# KiCad board RobotLegoController.kicad_pcb (continued)
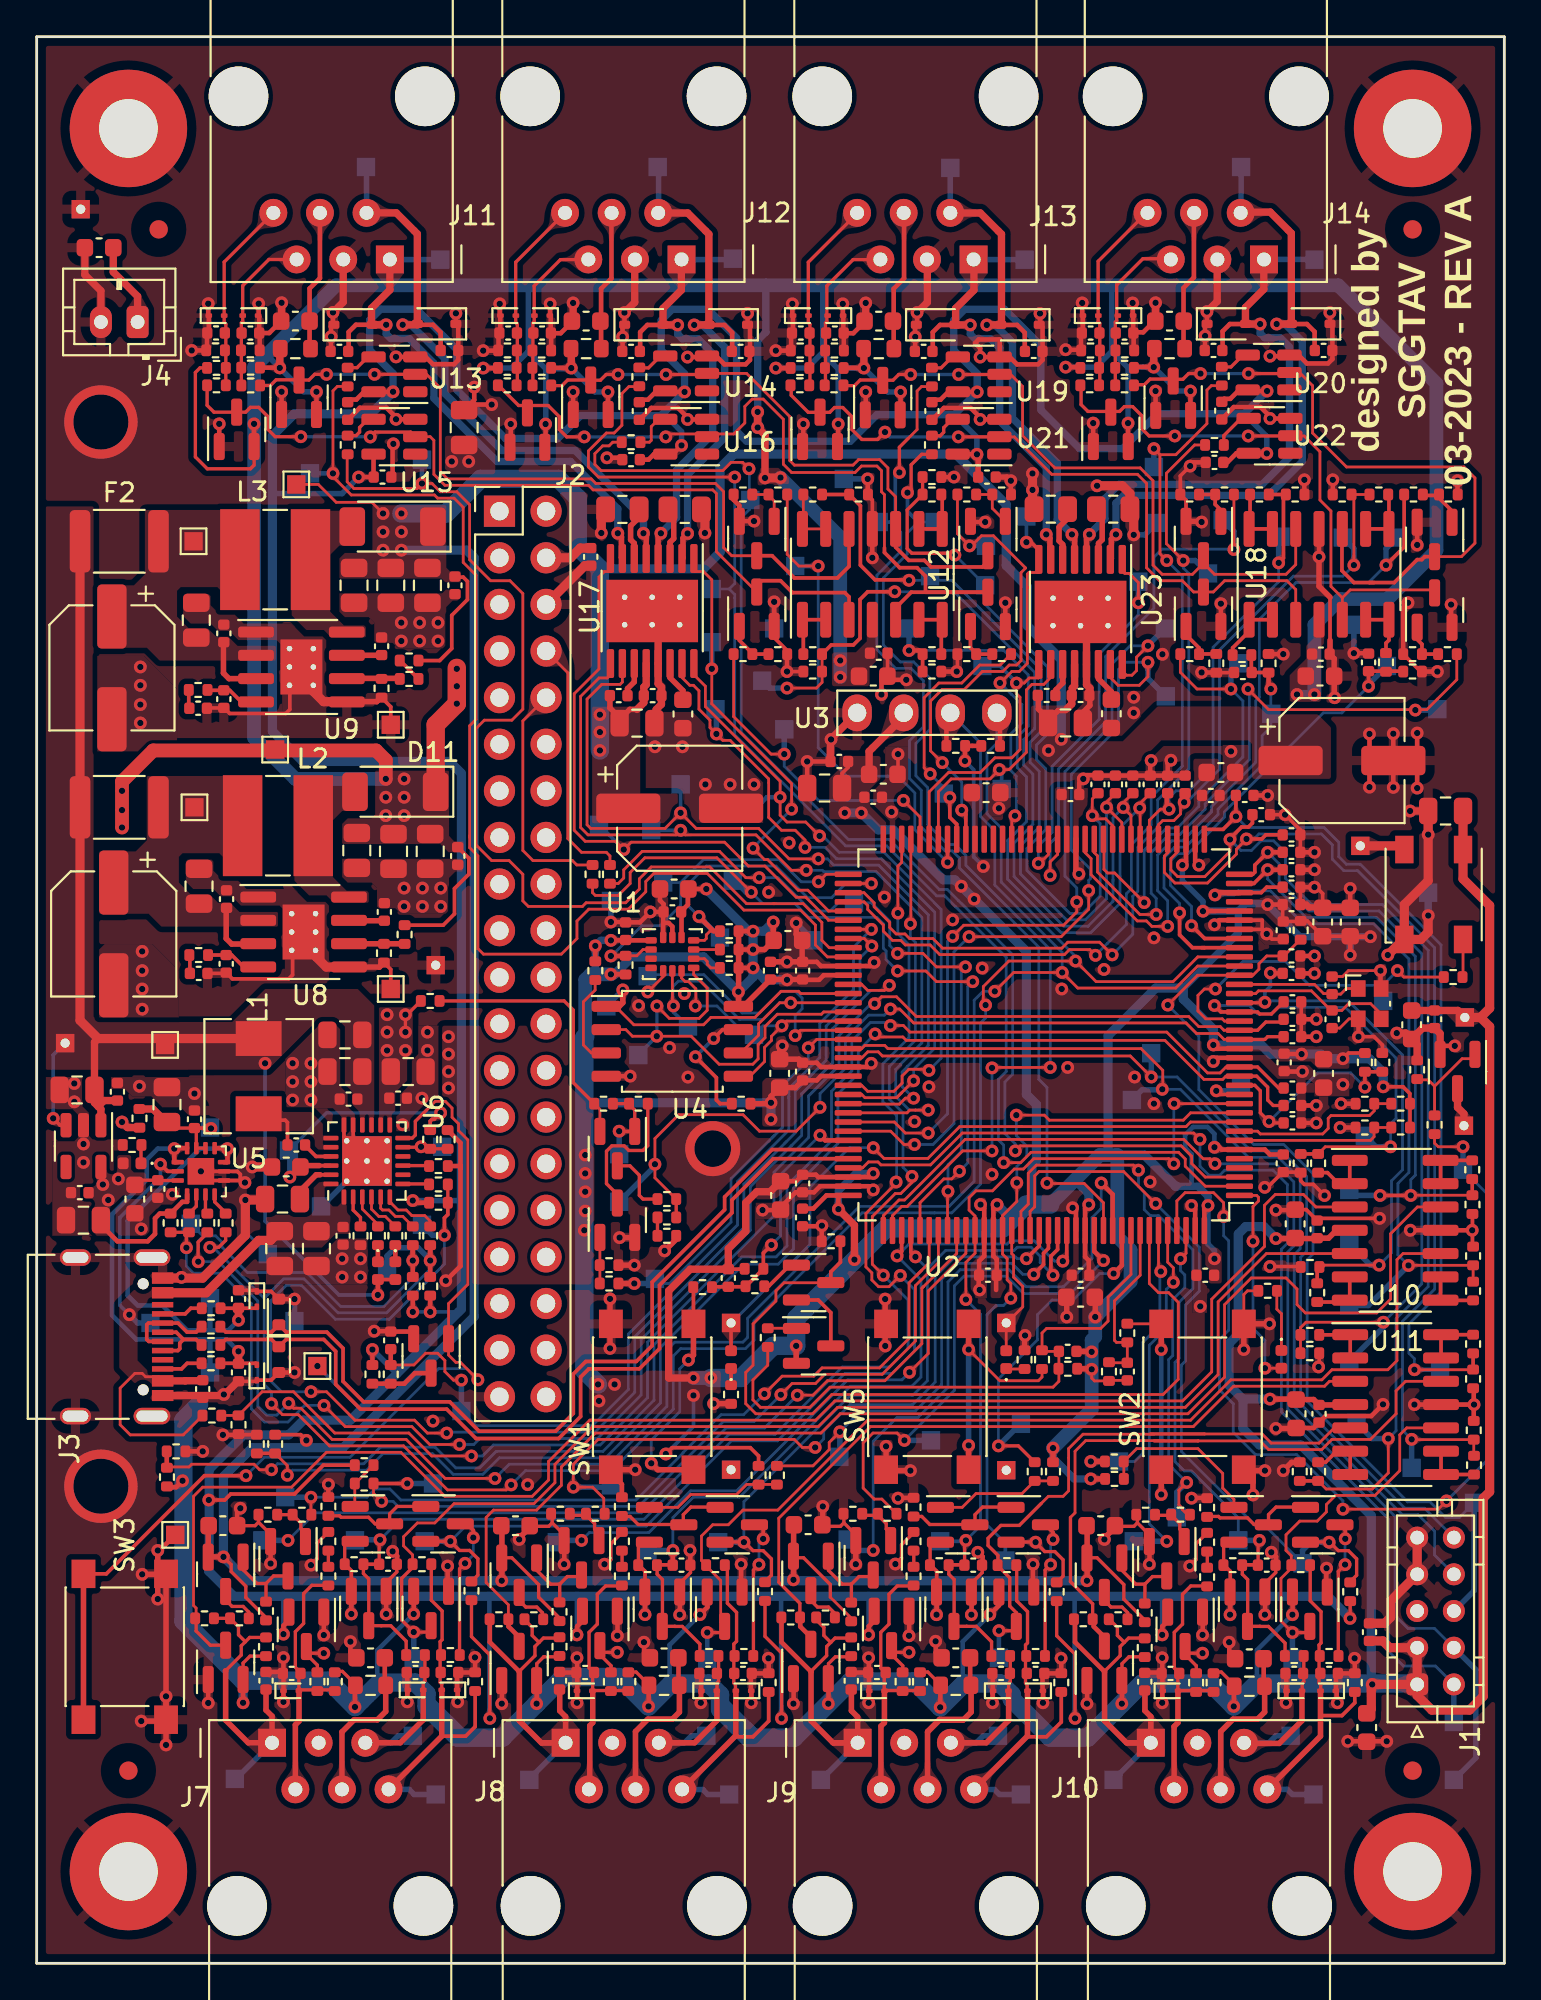
[diagram p0: board, top side]
## Routing (per net, layer and track width the routed paths; a pad name or vN(x,y) marks a point on that pad's centre or on a via; arc(x,y) is an arc through that point) (continued)
BM_NIRQ: length 75.4
  L1 w0.15: v1(22.35,28.9) 21.3,28.9 20.59,29.6 17.35,29.6 15.8,31.15 v1(14.95,31.15) ; v1(45.52,55.44) 45.11,55.85 U2.80
  L1 w0.18: R41.1 R48.1
  L1 w0.2: R41.1 22.41,40.81 22.22,40.62 v1(22.22,39.68)
  L4 w0.15: 40.87,44.78 40.75,44.67 ; 40.87,44.78 38.55,42.47 38.55,40.09 32.6,34.14 32.6,31.12 30.43,28.95 22.4,28.95 v1(22.35,28.9) ; 40.87,44.78 41.35,45.27 41.35,47.53 43.03,49.22 43.03,51.08 44.88,52.92 44.88,54.79 v1(45.52,55.44) ; 13.13,36.47 13.61,36.95 14.43,36.95 16.28,35.1 19.22,35.1 22.22,38.11 v1(22.22,39.68) ; 13.13,36.47 12.75,36.09 12.75,31.74 13.34,31.15 v1(14.95,31.15) ; 13.13,36.47 13.2,36.55
  L4 w0.3: v1(22.22,39.68) 21.57,39.68 TP32.1
INPUT1_PIN1_CURRENT_ENABLE: length 45.7
  L1 w0.15: R78.1 14.95,24.47 v1(14.95,25.4) ; 48.21,37.74 47.55,37.08 47.55,34.06 45.94,32.45 42.81,32.45 42.36,32 40.63,32 v1(39.67,31.03) ; 48.21,37.74 48.65,38.18 U2.114 ; 48.21,37.74 47.97,37.5
  L4 w0.15: v1(14.95,25.4) 18,25.4 18.45,25.85 19.25,25.85 19.85,25.25 32.67,25.25 35.24,27.81 35.24,27.83 37.31,29.9 38.53,29.9 v1(39.67,31.03)
  L4 w0.3: TP48.1 v1(14.95,25.4)
INPUT1_PIN1_SENSE_VOLTAGE: length 27.3
  L1 w0.15: v1(73.8,44.5) 70.24,44.5 R86.2
  L1 w0.18: C97.1 67.31,51.74 66.66,51.74 66.55,51.85 U2.21
  L1 w0.2: U2.21 64.55,51.85 v1(64.2,52.2) ; R88.1 R86.2
  L4 w0.15: v1(64.2,52.2) 66.1,52.2 66.55,51.75 67.3,51.75 67.65,52.1 71.33,52.1 74.1,49.33 74.1,46.05 73.8,45.75 v1(73.8,44.5)
  L4 w0.3: v1(73.8,44.5) 73,44.5 TP50.1
INPUT1_PIN2_DETECT: length 57.3
  L1 w0.15: U2.117 50.15,38.69 48.36,36.89 ; 48.36,36.89 48.26,36.8 ; 48.36,36.89 48.25,36.79 48.25,33.77 46.23,31.75 43.1,31.75 42.31,30.96 v1(41.46,30.96)
  L1 w0.18: v1(15.65,16.9) 14.8,16.9 14.7,17 D15.3 ; 15.3,15.91 15.3,16.25 14.7,16.85 14.7,17.31
  L3 w0.2: 13.7,23 13.7,18.85 v1(15.65,16.9)
  L4 w0.15: v1(13.7,23.05) 15.2,24.55 32.96,24.55 37.59,29.17 39.68,29.17 v1(41.46,30.96)
  L4 w0.3: v1(13.7,23.05) TP52.1
INPUT1_PIN5_SCL_uTX_pRX: length 74.2
  L1 w0.15: v1(46.15,37.5) 45.55,38.1 45.55,40.7 46.8,41.95 47.1,41.95 47.71,42.56 v1(47.71,42.89) ; v1(47.63,56.65) 47.65,56.67 U2.69
  L1 w0.18: D19.3 18.1,20.95 17.81,21.24 R98.1 ; D19.3 18.78,18.4 18.78,18.4 19.3,18.4 20.14,17.56 R100.1 ; D19.3 18.07,18.43 ; v1(18.71,23.08) 18.67,23.04 C103.1
  L1 w0.2: R98.1 C103.1
  L4 w0.15: v1(47.63,56.65) 47.63,55.92 47.9,55.64 47.9,50.31 46.75,49.16 46.75,49.15 46.47,48.88 46.47,47.1 47.22,46.35 47.22,43.38 v1(47.71,42.89) ; v1(46.15,37.5) 47.5,36.15 47.5,33.51 46.49,32.5 43.92,32.5 40.24,28.83 37.73,28.83 33.11,24.2 19.83,24.2 v1(18.71,23.08)
  L4 w0.3: TP56.1 17.38,23.08 v1(18.71,23.08)
INPUT1_PIN6_ENABLE_N: length 43.9
  L1 w0.15: U2.115 49.15,38.18 47.9,36.93 47.9,33.91 46.09,32.1 42.96,32.1 42.46,31.6 41.18,31.6 v1(40.56,30.99) ; R104.1 18.36,25.61 v1(18.8,25.17)
  L1 w0.2: R104.1 v1(20.2,26.15)
  L4 w0.15: v1(18.8,25.17) 19.43,25.17 19.7,24.9 32.82,24.9 36.7,28.78 36.7,28.8 37.43,29.53 39.1,29.53 v1(40.56,30.99)
  L4 w0.3: v1(20.2,26.15) TP60.1
INPUT1_PIN6_SDA_uRX_pTX: length 68.1
  L1 w0.15: v1(46.85,42.58) 46.85,42.51 45.2,40.87 45.2,37.96 45.53,37.63 45.53,37.24 45.89,36.88 46.46,36.88 v1(47.08,37.49) ; v1(46.94,57.24) 46.94,59.79 47.15,60 U2.70
  L1 w0.18: Q15.2 v1(22.55,23) 23.05,22.5 23.6,22.5 24.05,22.05 24.05,21.16 R110.2
  L4 w0.15: v1(22.55,23) 23.38,23.83 33.22,23.83 37.88,28.47 40.39,28.47 44.06,32.15 46.63,32.15 47.85,33.37 47.85,36.72 v1(47.08,37.49) ; v1(46.94,57.24) 46.94,56.11 47.55,55.5 47.55,50.45 46.4,49.3 46.4,49.29 46.12,49.02 46.12,46.95 46.88,46.2 46.88,42.61 v1(46.85,42.58)
  L4 w0.3: v1(22.55,23) TP66.1
INPUT1_PIN6_SENSE_VOLTAGE: length 30.9
  L1 w0.15: R122.1 69.96,37.98 70.13,37.98 70.2,38.05 v1(73.18,38.05)
  L1 w0.18: U2.22 66.92,52.35 v1(66.95,52.38)
  L1 w0.2: R120.2 69.8,37.83 R122.1
  L1 w0.25: 67.9,53.95 67.27,53.95 v1(67.25,53.97)
  L4 w0.15: v1(73.18,38.05) 73.85,38.72 73.85,42.64 74.45,43.24 74.45,49.5 71.5,52.45 67.02,52.45 v1(66.95,52.38)
  L4 w0.2: v1(66.95,52.38) 66.95,52.95 67.25,53.25 v1(67.25,53.97)
  L4 w0.3: v1(73.18,38.05) 72.7,38.05 TP68.1
INPUT2_PIN1_CURRENT_ENABLE: length 43.3
  L1 w0.15: 30.91,24.5 30.91,25.34 30.3,25.95 v1(29.25,25.95) 29.25,27.2 30.6,28.55 41.3,28.55 41.73,28.12 v1(42.43,28.12)
  L1 w0.2: U2.126 54.65,39.1 v1(53.95,38.4)
  L4 w0.15: v1(53.95,38.4) 53.45,38.4 53.35,38.5 50.05,38.5 48.97,37.42 48.97,31.67 47.75,30.45 44.34,30.45 42.9,29.01 42.9,28.58 v1(42.43,28.12)
  L4 w0.2: v1(29.25,25.95) 31.25,25.95
  L4 w0.3: v1(29.25,25.95) 31.2,25.95 TP49.1
INPUT2_PIN1_SENSE_VOLTAGE: length 33.8
  L1 w0.15: v1(74.9,41.85) 74.91,41.86 R89.1
  L1 w0.2: R89.1 78.25,41.87 R87.2 ; v1(74.9,41.85) v1(73.23,41.85) ; v1(67.1,59.6) 66.35,58.85 U2.35
  L1 w0.25: 67.9,59.6 v1(67.1,59.6)
  L4 w0.15: v1(67.1,59.6) 67.1,59.09 69.19,57 73.03,57 75.15,54.88 75.15,42.96 74.9,42.71 v1(74.9,41.85)
  L4 w0.3: v1(73.23,41.85) 71.85,41.85 TP51.1
INPUT2_PIN2_DETECT: length 41.9
  L1 w0.15: v1(47.58,32.21) 48.6,33.23 48.6,36.64 50.65,38.69 U2.118
  L1 w0.18: 30.71,17.28 30.71,16.81 31.31,16.22 31.31,15.88 ; v1(31.65,16.95) 30.8,16.95 30.7,17.05 D16.3
  L3 w0.2: v1(31.65,16.95) 29.7,18.9 v1(29.7,23.05)
  L4 w0.15: v1(47.58,32.21) 47.17,31.8 44.21,31.8 38.16,25.75 35.64,25.75 33.37,23.47 30.12,23.47 v1(29.7,23.05)
  L4 w0.3: v1(29.7,23.05) 28.45,23.05 TP53.1
INPUT2_PIN5_SCL_uTX_pRX: length 48.3
  L1 w0.18: 34.11,18.36 34.11,20.92 33.82,21.2 33.82,21.72 ; 34.11,18.36 34.78,18.36 34.78,18.36 35.19,18.36 36.15,17.4 36.15,16.77 ; 34.11,18.36 34.08,18.39
  L1 w0.2: U2.129 56.15,38.48 v1(55.93,38.27) ; 33.82,21.72 34.68,21.72 ; U2.111 47.15,38.8 v1(46.9,38.55)
  L1 w0.25: v1(34.68,22.5) 34.67,22.49 C105.1
  L4 w0.15: v1(55.93,38.27) 55.48,38.27 54.38,39.38 53.07,39.38 52.9,39.2 47.55,39.2 v1(46.9,38.55) 48.2,37.25 48.2,31.95 47.7,31.45 44.35,31.45 38.3,25.4 35.79,25.4 34.68,24.29 v1(34.68,22.5)
  L4 w0.3: TP57.1 v1(34.68,22.5)
INPUT2_PIN6_ENABLE_N: length 26.5
  L1 w0.15: v1(43.78,28.97) 43.2,28.39 43.2,28 42.31,27.11 R105.1
  L1 w0.2: U2.127 55.15,38.97 54.88,38.7 54.88,38.08 v1(54.35,37.55)
  L4 w0.15: v1(54.35,37.55) 53.75,37.55 53.15,38.15 50.19,38.15 49.32,37.28 49.32,31.53 47.89,30.1 44.91,30.1 v1(43.78,28.97)
  L4 w0.3: v1(43.78,28.97) 43.78,27.63 TP59.1
INPUT2_PIN6_SDA_uRX_pTX: length 40.3
  L1 w0.18: 38.55,22.99 39.05,22.49 39.6,22.49 40.05,22.04 40.05,21.15 39.7,20.8 ; 38.56,22.97 37.22,22.97
  L1 w0.2: U2.112 47.65,38.75 v1(47.9,38.5) ; v1(55.4,37.5) 55.28,37.62 55.28,38.54 55.65,38.9 U2.128
  L4 w0.15: 48.55,37.85 49.55,38.85 53.28,38.85 53.45,39.03 54.21,39.03 54.7,38.53 54.7,38.2 v1(55.4,37.5) ; 48.55,37.85 v1(47.9,38.5) ; 48.55,37.85 48.55,31.75 47.75,30.95 44.35,30.95 38.55,25.15 v1(38.55,22.95)
  L4 w0.3: v1(38.55,22.95) TP67.1
INPUT2_PIN6_SENSE_VOLTAGE: length 41.8
  L1 w0.15: R121.2 R123.1 74.78,38.04 v1(74.77,38.03)
  L1 w0.2: U2.34 66.75,58.35 67.05,58.65 C109.1
  L1 w0.3: v1(64.22,58.22) 64.35,58.35 U2.34
  L4 w0.15: v1(74.77,38.03) 74.2,38.61 74.2,42.5 74.8,43.1 74.8,54.73 72.88,56.65 69.05,56.65 67.25,58.45 65.5,58.45 65.28,58.22 v1(64.22,58.22)
  L4 w0.3: v1(74.77,38.03) 72.59,35.85 TP69.1
INPUT3_PIN1_CURRENT_ENABLE: length 29.8
  L1 w0.15: R128.1 46.07,25.3 45.65,25.3 45.05,25.9 45.05,28.36 45.59,28.9 46.9,28.9 v1(47.3,28.5)
  L1 w0.25: U2.132 57.65,38.8 v1(58.15,38.3)
  L4 w0.15: v1(58.15,38.3) 56.35,36.5 53.81,36.5 52.86,37.45 50.55,37.45 50.03,36.92 50.03,31.22 v1(47.3,28.5)
  L4 w0.3: v1(47.3,28.5) TP72.1
INPUT3_PIN1_SENSE_VOLTAGE: length 44.2
  L1 w0.15: R138.1 68.89,34.64 69.19,34.94 v1(73.41,34.94)
  L1 w0.2: v1(67.1,60.55) 66.4,59.85 66.4,59.47 66.28,59.35 U2.36
  L1 w0.25: 67.9,60.55 v1(67.1,60.55)
  L4 w0.15: v1(73.41,34.94) 75.5,37.03 75.5,55.02 73.17,57.35 69.35,57.35 67.72,58.97 67.72,59.92 v1(67.1,60.55)
  L4 w0.3: TP74.1 73.41,34.66 v1(73.41,34.94)
INPUT3_PIN2_DETECT: length 44.2
  L1 w0.18: D29.3 46.6,17.05 46.7,16.95 v1(47.55,16.95) ; 47.21,15.88 47.21,16.22 46.61,16.81 46.61,17.28
  L1 w0.25: v1(58.03,42.53) 58.65,41.9 U2.134
  L3 w0.2: v1(45.6,22.5) 45.6,18.88 47.53,16.95 v1(47.55,16.95)
  L4 w0.15: v1(45.6,22.5) 45.6,28.45 46.9,29.75 48.04,29.75 49.68,31.39 49.68,37.14 50.34,37.8 53,37.8 53.93,36.88 55.97,36.88 57.53,38.42 57.53,40.64 58.03,41.14 v1(58.03,42.53)
  L4 w0.3: TP76.1 44.8,22.5 v1(45.6,22.5)
INPUT3_PIN5_SCL_uTX_pRX: length 49
  L1 w0.15: v1(62,46.85) U2.11 ; v1(61.98,43.58) 61.71,43.85 54.34,43.85 53.78,43.29 53.29,43.29 52.1,42.1 51.2,42.1 50.82,41.72 50.82,41.05 51.15,40.72 U2.119 51.15,38.7 50.65,38.2 v1(50.65,36.17)
  L1 w0.18: 52.05,16.77 52.05,17.53 51.21,18.36 50.69,18.36 50.69,18.36 50.01,18.36 ; 49.98,18.39 50.01,18.36 ; 50.01,18.36 50.01,20.92 49.72,21.2 49.72,21.72 ; 50.62,23.05 50.58,23 50.58,21.72
  L1 w0.2: 49.72,21.72 50.58,21.72
  L4 w0.15: v1(50.65,23.05) 51.45,23.85 51.45,35.37 v1(50.65,36.17) ; v1(62,46.85) 61.98,46.83 v1(61.98,43.58)
  L4 w0.2: v1(50.65,23.05) 50.6,23 TP80.1
INPUT3_PIN6_ENABLE_N: length 19.7
  L1 w0.18: v1(52.42,28.2) 53.51,28.2 R107.1
  L1 w0.25: U2.135 59.15,38.04 v1(58.7,37.59)
  L4 w0.15: v1(52.42,28.2) 52.42,31.85 54.55,33.98 54.55,35.35 55.35,36.15 56.49,36.15 57.94,37.59 v1(58.7,37.59)
  L4 w0.3: 53.65,29.43 v1(52.42,28.2)
INPUT3_PIN6_SDA_uRX_pTX: length 45.2
  L1 w0.15: v1(53.4,46.22) 54.93,46.22 55.2,45.95 62.5,45.95 62.9,46.35 U2.10 ; v1(53.1,36.25) 53.1,37.05 52.9,37.25 52.9,38.4 52.65,38.65 U2.122 52.65,40.75 53.43,41.53 v1(53.43,42.54)
  L1 w0.18: 55.6,20.75 55.95,21.1 55.95,21.99 55.5,22.44 54.95,22.44 54.45,22.94 ; 54.46,22.97 53.12,22.97
  L4 w0.15: v1(53.4,46.22) 53.4,45.1 53.97,44.53 53.97,43.97 53.43,43.43 v1(53.43,42.54) ; v1(53.1,36.25) 52.7,35.85 52.3,35.85 51.8,35.35 51.8,23.9 52.75,22.95
  L4 w0.2: v1(54.45,22.95) 52.75,22.95 52.8,22.9 TP90.1
INPUT3_PIN6_SENSE_VOLTAGE: length 59.9
  L1 w0.15: R170.2 70.29,25.85 72.8,25.85 73.68,26.73 v1(73.68,28.6) ; U2.40 62.15,60.53 61.82,60.21 61.82,59.59 62.19,59.22 63.68,59.22 65.05,60.6 v1(65.05,61.25)
  L1 w0.2: C128.1 66.27,62.15 66.05,61.93 65.68,61.93 65.05,61.3 v1(65.05,61.25) ; R172.1 R170.2
  L4 w0.15: v1(65.05,61.25) 65.65,60.65 66.22,60.65 66.74,61.17 67.43,61.17 68.07,60.53 68.07,59.12 69.49,57.7 73.36,57.7 75.85,55.21 75.85,36.88 74.1,35.13 74.1,29.02 v1(73.68,28.6)
  L4 w0.3: v1(73.68,28.6) 72.8,28.6 TP92.1
INPUT4_PIN1_CURRENT_ENABLE: length 19.2
  L1 w0.15: v1(62.35,38.39) 62.65,38.69 U2.142 ; 62.88,24.42 62.76,24.42 62.44,24.73 62.44,24.8 62.26,24.99 62.26,25.78 v1(62.69,26.21)
  L4 w0.15: v1(62.35,38.39) 62.35,37.75 62.58,37.52 62.58,36.83 61.93,36.17 61.93,33.12 61.7,32.9 61.7,27.2 v1(62.69,26.21)
  L4 w0.3: v1(62.69,26.21) 62.15,25.67 TP73.1
INPUT4_PIN1_SENSE_VOLTAGE: length 47.7
  L1 w0.15: R139.1 78.29,32.35 v1(75.1,32.35)
  L1 w0.2: U2.37 63.65,61.8 64.67,61.8 v1(65.37,62.5) C118.1 ; R137.2 R139.1
  L4 w0.15: v1(65.37,62.5) 65.97,61.9 70.17,61.9 70.97,61.1 70.97,60.31 71.39,59.9 72.15,59.9 76.55,55.5 76.55,36.59 74.8,34.84 74.8,33.25 75.1,32.95 v1(75.1,32.35)
  L4 w0.25: v1(75.1,32.35) TP75.1
INPUT4_PIN2_DETECT: length 31.4
  L1 w0.15: v1(61.96,37.12) 61.96,37.9 61.65,38.21 U2.140
  L1 w0.18: v1(63.55,16.9) 62.7,16.9 62.6,17 D30.3 ; 62.61,17.28 62.61,16.81 63.21,16.22 63.21,15.88
  L3 w0.2: v1(61.6,23) 61.6,18.85 v1(63.55,16.9)
  L4 w0.15: v1(61.6,23) 60.65,23.95 60.65,33.68 61.57,34.61 61.57,36.74 v1(61.96,37.12)
  L4 w0.2: v1(61.6,23) 59.85,23
  L4 w0.3: v1(61.6,23) TP77.1
INPUT4_PIN5_SCL_uTX_pRX: length 43.3
  L1 w0.15: v1(60.06,43.23) 59.78,43.5 54.49,43.5 54.05,43.06 54.05,41.37 53.65,40.97 U2.124
  L1 w0.18: 65.98,18.39 66.01,18.36 ; 66.01,18.36 66.68,18.36 66.68,18.36 67.14,18.36 68.05,17.45 68.05,16.77 ; 66.01,18.36 66.01,20.92 65.72,21.2 65.72,21.72 ; 66.62,23.05 66.58,23 66.58,21.72
  L1 w0.2: 65.72,21.72 66.58,21.72
  L4 w0.15: TP81.1 65.5,24.28 62.94,26.83 62.56,26.83 62.05,27.34 62.05,32.75 62.28,32.97 62.28,36.03 63.03,36.78 63.03,38.88 61.16,40.75 60.7,40.75 60.38,41.08 60.38,42.03 60.06,42.34 v1(60.06,43.23)
  L4 w0.3: v1(66.65,23.05) TP81.1
INPUT4_PIN6_ENABLE_N: length 17.9
  L1 w0.15: v1(61.27,37.7) 61.15,37.83 U2.139
  L1 w0.3: 58.24,27.35 v1(57.46,27.35)
  L4 w0.15: v1(57.46,27.35) 59.85,27.35 60.3,27.8 60.3,33.85 61.22,34.78 61.22,37.65 v1(61.27,37.7)
  L4 w0.3: v1(57.46,27.35) TP83.1
INPUT4_PIN6_SDA_uRX_pTX: length 41.5
  L1 w0.15: v1(61,41.4) 59.25,43.15 54.63,43.15 54.4,42.92 54.4,41.23 54.15,40.98 U2.125
  L1 w0.18: 70.46,22.97 69.12,22.97 ; 71.6,20.8 71.95,21.15 71.95,22.04 71.5,22.49 70.95,22.49 70.45,22.99
  L4 w0.15: TP91.1 67.12,23.67 66.62,23.67 62.4,27.89 62.4,32.61 62.62,32.83 62.62,35.89 63.38,36.64 63.38,39.03 v1(61,41.4)
  L4 w0.3: TP91.1 69,22.5 69.45,22.95 v1(70.45,22.95)
INPUT4_PIN6_SENSE_VOLTAGE: length 56.8
  L1 w0.15: R173.1 78.33,27.68 R171.2 ; U2.41 61.65,60.53 61.47,60.35 61.47,59.45 62.05,58.88 63.82,58.88 65.4,60.45 65.4,60.72 65.95,61.27 v1(65.95,61.28) ; v1(74.95,28.56) 74.97,28.54 78.32,28.54
  L1 w0.2: C129.1 67,61.5 66.78,61.28 v1(65.95,61.28)
  L4 w0.15: v1(74.95,28.56) 74.45,29.06 74.45,34.99 76.2,36.74 76.2,55.35 72,59.55 71.24,59.55 70.62,60.17 70.62,60.95 70.03,61.55 66.62,61.55 66.35,61.28 v1(65.95,61.28)
  L4 w0.3: v1(74.95,28.56) TP93.1
MOTOR_CD_FAULT_N: length 20.5
  L1 w0.15: 54,75 54,74.91 ; 54,75 54,70.85 53.56,70.41 53.15,70.41 52.53,69.78 v1(52.51,69.78) ; 54,75 54,75.71 54.09,75.8 54.61,75.8 54.61,76.51 ; U2.58 53.15,62.37 v1(53.33,62.54)
  L1 w0.2: U23.8 54.62,77.03 54.2,77.45 v1(53.95,77.45)
  L4 w0.15: v1(52.51,69.78) 52.52,69.78 52.78,69.52 52.78,69.51 53.15,69.15 53.15,69.15 53.7,68.6 53.7,67.6 53.1,67 53.1,65 53.4,64.7 53.4,62.62 v1(53.33,62.54)
  L4 w0.2: v1(53.95,77.45) TP123.1
MOTORA_PIN5_DET: length 28.5
  L1 w0.15: R184.1 40.91,76.79 41.55,76.15 v1(42.6,76.15)
  L1 w0.2: U2.65 v1(49.65,60)
  L4 w0.15: 46.35,64.7 46.45,64.7 ; 46.35,64.7 44.15,64.7 42.6,66.25 v1(42.6,76.15) ; 46.35,64.7 46.95,64.7 47.87,63.78 47.87,61.78 v1(49.65,60)
  L4 w0.25: v1(42.6,76.15) TP96.1
MOTORA_PIN5_ENCODER: length 64.9
  L1 w0.15: R202.1 16.39,85.94 16.15,85.7 16.15,81.02 17.15,80.03 21.68,80.03 21.86,79.85 22.75,79.85 23.25,79.35 23.25,76.35 23.95,75.65 23.95,67.79 23.6,67.44 23.6,61.45 ; 23.6,61.45 23.6,61.34 ; 23.6,61.45 23.6,60.8 24.05,60.35 24.05,55.3 24.35,55 28.6,55 29.45,55.85 29.45,56.81 30.09,57.45 32.25,57.45 33.2,58.4 33.2,58.96 33.64,59.4 36.55,59.4 38.55,57.4 41.63,57.4 42.45,56.58 42.45,55.5 43.1,54.85 U2.82
  L4 w0.25: TP134.1 v1(16.15,81.2)
MOTORA_PIN5_SENSE: length 45
  L1 w0.15: R178.2 43.69,80.05 ; U2.46 59.15,62.17 v1(58.32,63) 58.32,63.29 C133.1
  L1 w0.2: v1(47.55,75.37) 47.52,75.4 45.7,75.4 44.9,76.2 44.9,79.44 R182.1 R178.2
  L4 w0.15: 53.96,61.24 54.65,61.93 54.65,64.96 54.15,65.46 54.15,66.54 54.75,67.14 54.75,70.51 49.88,75.37 v1(47.55,75.37) ; 53.96,61.24 53.62,60.9 53.62,59.38 56.13,56.87 57.16,56.87 58.32,58.02 v1(58.32,63) ; 53.96,61.24 54.05,61.33
MOTORA_PIN6_DET: length 18.8
  L1 w0.15: v1(47.24,63.38) 48.15,62.47 U2.68 ; v1(40.75,65.9) 40.03,65.9 37.99,67.94 R198.1
  L4 w0.15: v1(40.75,65.9) 40.75,65.24 42.61,63.38 47.24,63.38 v1(47.24,63.38)
  L4 w0.3: v1(40.75,65.9) TP100.1
MOTORA_PIN6_ENCODER: length 58.8
  L1 w0.15: U2.81 43.2,55.35 42.8,55.75 42.8,56.73 41.78,57.75 40.15,57.75 ; 40.25,57.75 38.69,57.75 36.69,59.75 33.5,59.75 32.85,59.1 32.85,58.54 32.11,57.8 29.95,57.8 29.75,57.6 26.8,57.6 26.5,57.9 26.5,59.35 25.75,60.1 24.8,60.1 23.95,60.95 23.95,67.3 24.4,67.75 25.9,67.75 26.5,68.35 26.5,74.65 25.8,75.35 24.74,75.35 23.6,76.49 23.6,79.5 22.9,80.2 22,80.2 21.55,80.65 v1(21,80.65) 20.72,80.38 17.29,80.38 16.93,80.74 16.93,82.22 R204.1
  L4 w0.25: TP135.1 v1(21,80.65)
MOTORA_PIN6_SENSE: length 48.6
  L1 w0.15: v1(40.9,69.5) 42.5,69.5 42.81,69.81 R196.1 R192.2 ; U2.45 59.65,62.56 59.23,62.98 v1(59.23,62.99) 59.23,63.25 C138.1
  L1 w0.2: R192.2 43.31,71.85 44.52,71.85 44.88,72.21 44.88,74.33 45.3,74.75 v1(46.77,74.75)
  L4 w0.15: v1(59.23,62.99) 58.67,62.43 58.67,59.05 ; 58.67,59.05 58.67,58.95 ; 58.67,59.05 58.67,57.88 57.31,56.52 55.99,56.52 53.28,59.23 53.28,61.05 54.3,62.07 54.3,64.81 53.8,65.31 53.8,66.69 54.4,67.29 54.4,70.36 50.01,74.75 v1(46.77,74.75)
  L4 w0.3: v1(40.9,69.5) 39.95,69.5 TP98.1
MOTORA_PWM1: length 49.2
  L1 w0.15: v1(48.6,46.5) 47.9,46.5 47.59,46.5 47.44,46.35 U2.99 ; v1(41.95,59.57) 41.14,59.57 39.21,61.5 35.35,61.5 v1(35.1,61.75) 34.85,61.5 30.05,61.5 29.65,61.9 29.65,69.04 30.66,70.05 31.1,70.05 31.28,70.22 U17.9
  L4 w0.15: v1(48.6,46.5) 47.57,46.5 46.82,47.24 46.82,48.72 47.1,48.99 47.1,49.01 48.25,50.16 48.25,57 45.75,59.5 42.9,59.5 42.83,59.57 v1(41.95,59.57)
  L4 w0.2: v1(35.1,61.75) TP107.1
MOTORA_PWM2: length 47.6
  L1 w0.15: v1(42.61,60.19) 41.01,60.19 39.35,61.85 35.95,61.85 v1(35.1,62.7) 34.25,61.85 30.2,61.85 30,62.05 30,68.9 30.8,69.7 31.8,69.7 31.93,69.83 U17.10 ; U2.98 44.26,46.83 47.03,46.83 47.35,47.15 v1(47.8,47.15)
  L4 w0.15: v1(47.8,47.15) 47.18,47.78 47.18,48.58 47.45,48.85 47.45,48.87 48.6,50.02 48.6,57.14 45.89,59.85 43.45,59.85 43.11,60.19 v1(42.61,60.19)
  L4 w0.2: v1(35.1,62.7) TP108.1
MOTORAB_FAULT_N: length 35
  L1 w0.15: U17.8 31.28,75.85 30.95,75.85 30.65,75.55 30.65,70.54 29.3,69.19 29.3,61.75 29.9,61.15 31.55,61.15 v1(32,60.7) 32.4,61.1 37.49,61.1 38.79,59.8 39.7,59.8 41.4,58.1 41.92,58.1 43.15,56.87 43.15,56.85 U2.78
  L4 w0.2: v1(32,60.7) TP104.1
MOTORAB_SLEEP_N: length 27.2
  L1 w0.15: v1(39.05,60.77) 39.67,60.15 39.84,60.15 41.51,58.48 42.03,58.48 43.17,57.35 U2.77 ; 35.82,76.56 35.82,75.92 35.9,75.85 36.35,75.85 36.8,75.4 36.8,68.64 41.15,64.29 v1(41.15,62.9)
  L4 w0.15: v1(39.05,60.77) 39.05,60.8 v1(41.15,62.9)
  L4 w0.3: v1(36.8,70.55) TP103.1
MOTORB_PIN5_DET: length 27.3
  L1 w0.15: R185.1 50.19,77.91 v1(50.85,77.25) 50.95,77.25 51.5,77.8 52.15,77.8 53.91,76.04 53.66,75.79 53.66,71 53.41,70.75 53.01,70.75 52.66,70.41 51.55,70.41 50.57,69.42 49.35,69.42 48.72,68.8 48.72,66.07 v1(49.36,65.44)
  L1 w0.2: v1(50.42,62.85) 50.65,62.62 U2.63
  L4 w0.15: v1(49.36,65.44) 50.42,64.38 v1(50.42,62.85)
  L4 w0.25: v1(50.85,77.25) TP97.1
MOTORB_PIN5_ENCODER: length 74.9
  L1 w0.15: v1(52.71,43.64) 53.64,43.64 54.2,44.2 62.24,44.2 62.61,43.83 62.61,43.44 63.7,42.35 U2.2 ; 32.84,85.93 32.28,85.93 31.9,85.55 31.9,83.82 31.48,83.4 31.05,83.4 30.07,82.42 30.07,81.55 30.62,81 v1(38.05,81)
  L4 w0.15: TP16.1 37.75,74.9 ; 37.75,74.9 38.05,75.2 v1(38.05,81) ; 37.75,74.9 38.05,74.6 38.05,66.95 44.1,60.9 46.33,60.9 49.05,58.17 49.5,58.17 50.09,57.58 50.09,57.58 52.85,54.82 52.85,48.6 52.42,48.17 52.42,44.88 52.71,44.59 v1(52.71,43.64)
MOTORB_PIN5_SENSE: length 40.5
  L1 w0.15: U2.47 58.65,61.99 58.27,62.38 57.71,62.38 v1(57.54,62.55) 57.54,63.46 C134.1
  L1 w0.18: R183.1 R179.2 47.45,79.21 47.45,77.1 47.7,76.85 49.95,76.85 v1(50.05,76.75)
  L4 w0.15: v1(57.54,62.55) 57.97,62.12 57.97,58.17 57.02,57.22 56.32,57.22 53.97,59.56 53.97,60.76 55,61.78 55,65.1 54.5,65.6 54.5,66.4 55.1,67 55.1,70.65 51.7,74.05 TP95.1 v1(50.05,76.75)
MOTORB_PIN6_DET: length 14.2
  L1 w0.15: v1(48.71,64.82) 48.38,65.15 48.38,68.97 49.18,69.78 50.43,69.78 51.41,70.75 52.51,70.75 R199.1
  L1 w0.2: U2.64 50.15,62.08 49.77,62.46 v1(49.77,63.53)
  L4 w0.15: v1(48.71,64.82) 49.77,63.75 v1(49.77,63.53)
MOTORB_PIN6_ENCODER: length 69.9
  L1 w0.15: v1(38.83,81.45) 38.48,81.8 37.85,81.8 37.4,81.35 30.77,81.35 30.43,81.69 30.43,82.28 30.85,82.7 31.2,82.7 31.4,82.9 R205.1 ; U2.3 63.69,42.85 62.96,43.59 62.96,43.98 62.39,44.55 53.62,44.55 v1(53.34,44.28)
  L4 w0.15: v1(53.34,44.28) 53.34,44.66 52.77,45.23 52.77,48.03 53.2,48.46 53.2,54.97 50.24,57.93 50.24,57.93 49.64,58.53 49.2,58.53 46.47,61.25 44.24,61.25 38.4,67.09 38.4,78.78 38.84,79.22 38.85,79.22 38.85,81.43 v1(38.83,81.45)
MOTORB_PIN6_SENSE: length 38.6
  L1 w0.15: U2.44 60.15,62.94 v1(60.13,62.97) 60.13,63.2 C139.1
  L1 w0.2: R197.1 R193.2
  L1 w0.25: R193.2 48.09,71.55 v1(47.55,71.55)
  L4 w0.15: 53.29,61.56 53.35,61.62 ; 53.29,61.56 53.95,62.22 53.95,64.67 53.45,65.17 53.45,66.83 54.05,67.43 54.05,70.22 52.72,71.55 v1(47.55,71.55) ; 53.29,61.56 52.93,61.19 52.93,59.09 55.84,56.17 57.45,56.17 59.05,57.76 59.05,59.25 59.05,59.25 ; 59.05,59.25 59.05,59.13 ; 59.05,59.25 59.05,61.89 v1(60.13,62.97)
  L4 w0.3: v1(47.55,71.55) TP99.1
MOTORB_PWM1: length 37.2
  L1 w0.15: v1(42.68,61.44) 41.92,62.2 40.9,62.2 40.52,62.57 40.52,64.42 36.45,68.49 36.45,69.6 35.82,70.22 35.82,70.84 ; v1(48.64,48.67) 48.58,48.72 47.54,48.72 47.18,48.36 47.18,47.97 46.72,47.53 45.29,47.53 44.97,47.85 U2.96
  L4 w0.15: v1(48.64,48.67) 49.3,49.33 49.3,57.43 46.18,60.55 43.74,60.55 42.85,61.44 v1(42.68,61.44)
  L4 w0.25: TP105.1 39.8,63.55 v1(40.52,63.55)
MOTORB_PWM2: length 37.5
  L1 w0.15: 47.12,47.42 46.9,47.2 ; 47.12,47.42 v1(47.8,48.1) ; 47.12,47.42 46.88,47.17 45.15,47.17 44.98,47.35 U2.97 ; U17.15 35.18,70.08 35.6,69.65 35.8,69.65 36.1,69.35 36.1,68.35 36.7,67.75 36.7,67.35 v1(37.05,67) 37.4,66.65 37.8,66.65 39.9,64.55 39.9,62.45 40.6,61.75 41.35,61.75 41.88,61.22 v1(41.88,60.82)
  L4 w0.15: v1(47.8,48.1) 47.8,48.72 48.95,49.87 48.95,57.29 46.04,60.2 43.6,60.2 42.98,60.82 v1(41.88,60.82)
  L4 w0.3: v1(37.05,67) 37.05,68.3 TP106.1
MOTORC_PIN5_DET: length 31.2
  L1 w0.15: v1(55.24,59.29) 55.24,60.03 55.65,60.43 U2.53 ; R219.1 v1(65.26,77.05)
  L4 w0.15: v1(65.26,77.05) 65.24,77.08 61.34,77.08 60.9,76.63 60.9,73.86 58.27,71.22 58.27,67.66 55.7,65.09 55.7,61.49 55.24,61.04 v1(55.24,59.29)
  L4 w0.3: v1(65.26,77.05) 65.26,78.04 TP115.1
MOTORC_PIN5_ENCODER: length 56.3
  L1 w0.15: 47.5,83.1 47.99,83.59 47.99,85.69 48.23,85.93 48.79,85.93 ; U2.133 58.15,41.45 57.1,42.5 55.1,42.5 v1(55.07,42.53)
  L1 w0.18: v1(47.03,81.25) 47.03,82.63 47.5,83.1
  L4 w0.15: v1(55.07,42.53) 55.07,47.73 54.62,48.17 54.62,55.38 50.3,59.7 50.3,60.23 49.91,60.62 49.52,60.62 48.22,61.93 48.22,63.93 47.57,64.58 47.57,66.62 48.34,67.39 48.34,69.9 47.66,70.58 46.82,70.58 45.8,71.6 45.8,75.65 47.1,76.95 47.1,78 46.55,78.55
  L4 w0.2: v1(47.03,81.25) 46.8,81.02 46.8,78.8 46.55,78.55 TP139.1
MOTORC_PIN5_SENSE: length 25.8
  L1 w0.15: U2.43 60.65,62.3 61.25,62.9 v1(61.73,62.9)
  L1 w0.2: v1(67.7,76.32) 67.96,76.58 67.96,79.92 R217.1 R213.2
  L1 w0.25: 61.6,63.7 61.6,63.02 v1(61.73,62.9)
  L4 w0.15: v1(67.7,76.32) 67.7,75.29 64.12,71.72 64.12,65.22 62.81,63.9 62.1,63.9 61.73,63.53 v1(61.73,62.9)
  L4 w0.3: TP113.1 67.7,77.65 v1(67.7,76.32)
MOTORC_PIN6_DET: length 25.1
  L1 w0.15: 58.2,61.21 U2.48 58.18,61.24 58.18,59.62 58.37,59.42 58.76,59.42 v1(60.37,57.81) ; R233.1 62.34,70.36 63.25,69.45 v1(65.1,69.45)
  L4 w0.15: 60.43,60.72 60.61,60.89 ; 60.43,60.72 60.37,60.66 v1(60.37,57.81) ; 60.43,60.72 61.59,61.88 62.18,61.88 63.34,63.05 63.34,63.34 65.75,65.74 65.75,68.8 v1(65.1,69.45)
  L4 w0.3: TP119.1 65.1,70.45 v1(65.1,69.45)
MOTORC_PIN6_ENCODER: length 56.7
  L1 w0.15: v1(55.25,48.83) 52.1,48.83 v1(52.07,48.8) ; U2.110 46.65,40.75 47.15,41.25 47.45,41.25 50.48,44.28 v1(52.07,44.28)
  L1 w0.18: v1(47.47,80.15) 47.66,80.35 47.66,81.66 48.24,82.24 R239.1
  L4 w0.15: TP138.1 48.05,78.55 47.45,77.95 47.45,76.81 46.15,75.51 46.15,71.85 47.07,70.92 47.8,70.92 48.69,70.04 48.69,67.24 47.93,66.48 47.93,64.72 48.57,64.08 48.57,62.07 49.66,60.97 50.05,60.97 50.65,60.38 50.65,59.84 55.25,55.24 v1(55.25,48.83) ; v1(52.07,48.8) v1(52.07,44.28)
  L4 w0.2: v1(47.47,80.15) 47.47,79.13 48.05,78.55
MOTORC_PIN6_SENSE: length 23
  L1 w0.2: 63.65,55.35 63,55.35 62.3,56.05 v1(62.3,57.25) ; 63.65,55.35 U2.28 ; 63.65,55.35 63.5,55.35 ; R227.2 66.21,70.37 C163.1 67.14,70.35 R231.1
  L1 w0.25: 67.15,70.35 67.15,69.57 v1(67.27,69.45)
  L4 w0.15: v1(62.3,57.25) 62.3,57.76 61.45,58.61 61.45,60.25 62.03,60.83 62.61,60.83 64.4,62.61 64.4,62.9 66.8,65.31 66.8,66.9 67.27,67.37 v1(67.27,69.45)
MOTORC_PWM1: length 16.5
  L1 w0.15: U23.9 54.6,70.76 54.6,70.05 54.11,70.05 53.83,69.77 v1(53.41,69.77) 53.41,69.19 53.6,69 53.6,66.14 53.16,65.7 52.24,65.7 51.44,64.9 49.71,64.9 48.65,63.84 U2.67
  L4 w0.2: TP126.1 52.51,70.7 53.41,69.8 v1(53.41,69.77)
MOTORC_PWM2: length 15.1
  L1 w0.15: U23.10 55.28,70.08 54.9,69.7 54.25,69.7 53.95,69.4 53.95,66 53.01,65.06 v1(52.48,65.06) 51.97,64.55 49.85,64.55 49.15,63.85 U2.66
  L4 w0.2: v1(52.48,65.06) 52.6,64.93 TP127.1
MOTORCD_SLEEP_N: length 22
  L1 w0.15: 59.19,76.5 59.19,75.87 59.31,75.75 59.55,75.75 60.05,75.25 v1(60.05,74.15) ; U2.54 55.15,60.43 54.9,60.18 54.83,60.18 v1(54.6,59.95)
  L4 w0.15: v1(60.05,74.15) 60.05,73.5 57.92,71.37 57.92,67.8 55.35,65.23 55.35,61.64 54.6,60.89 v1(54.6,59.95)
  L4 w0.3: v1(60.05,74.15) TP122.1
MOTORD_PIN5_DET: length 41.1
  L1 w0.15: v1(61.65,56.51) 60.79,56.51 60.49,56.81 59.99,56.81 57.47,59.33 57.47,60.21 57.15,60.53 U2.50
  L1 w0.2: 74.54,80 74.54,77.19 v1(73.55,76.2)
  L4 w0.15: v1(61.65,56.51) 61.65,57.91 61.1,58.46 61.1,60.39 61.88,61.17 62.46,61.17 64.04,62.76 64.04,63.05 66.45,65.45 66.45,68.8 66.65,69 66.65,73.26 68.64,75.25 72.6,75.25 v1(73.55,76.2)
  L4 w0.3: v1(73.55,76.2) 73.55,77.1 TP116.1
MOTORD_PIN5_ENCODER: length 52.4
  L1 w0.15: v1(61.6,76.45) 61.23,76.82 61.23,82.22 ; U2.76 45.1,57.85 45.3,57.65 45.3,57.43 46.15,56.58 46.15,56.25 46.65,55.75 47.1,55.75 47.35,55.5 48.7,55.5 49.23,54.97 56.02,54.97 56.3,55.25 57.4,55.25 v1(57.71,54.94) ; 64.59,85.98 64.03,85.98 63.79,85.74 63.79,83.91 62.1,82.22 61.23,82.22 ; 61.23,82.22 v1(60.9,82.55)
  L4 w0.15: v1(57.71,54.94) 58.36,55.59 58.37,55.59 59.4,56.62 59.4,58.29 59.67,58.57 59.67,60.97 60.75,62.04 60.75,63.55 62.45,65.25 62.45,75.6 v1(61.6,76.45)
  L4 w0.3: TP136.1 v1(60.9,82.55)
